# KiCad board Soldered Inkplate 6 FLICK.kicad_pcb (continued)
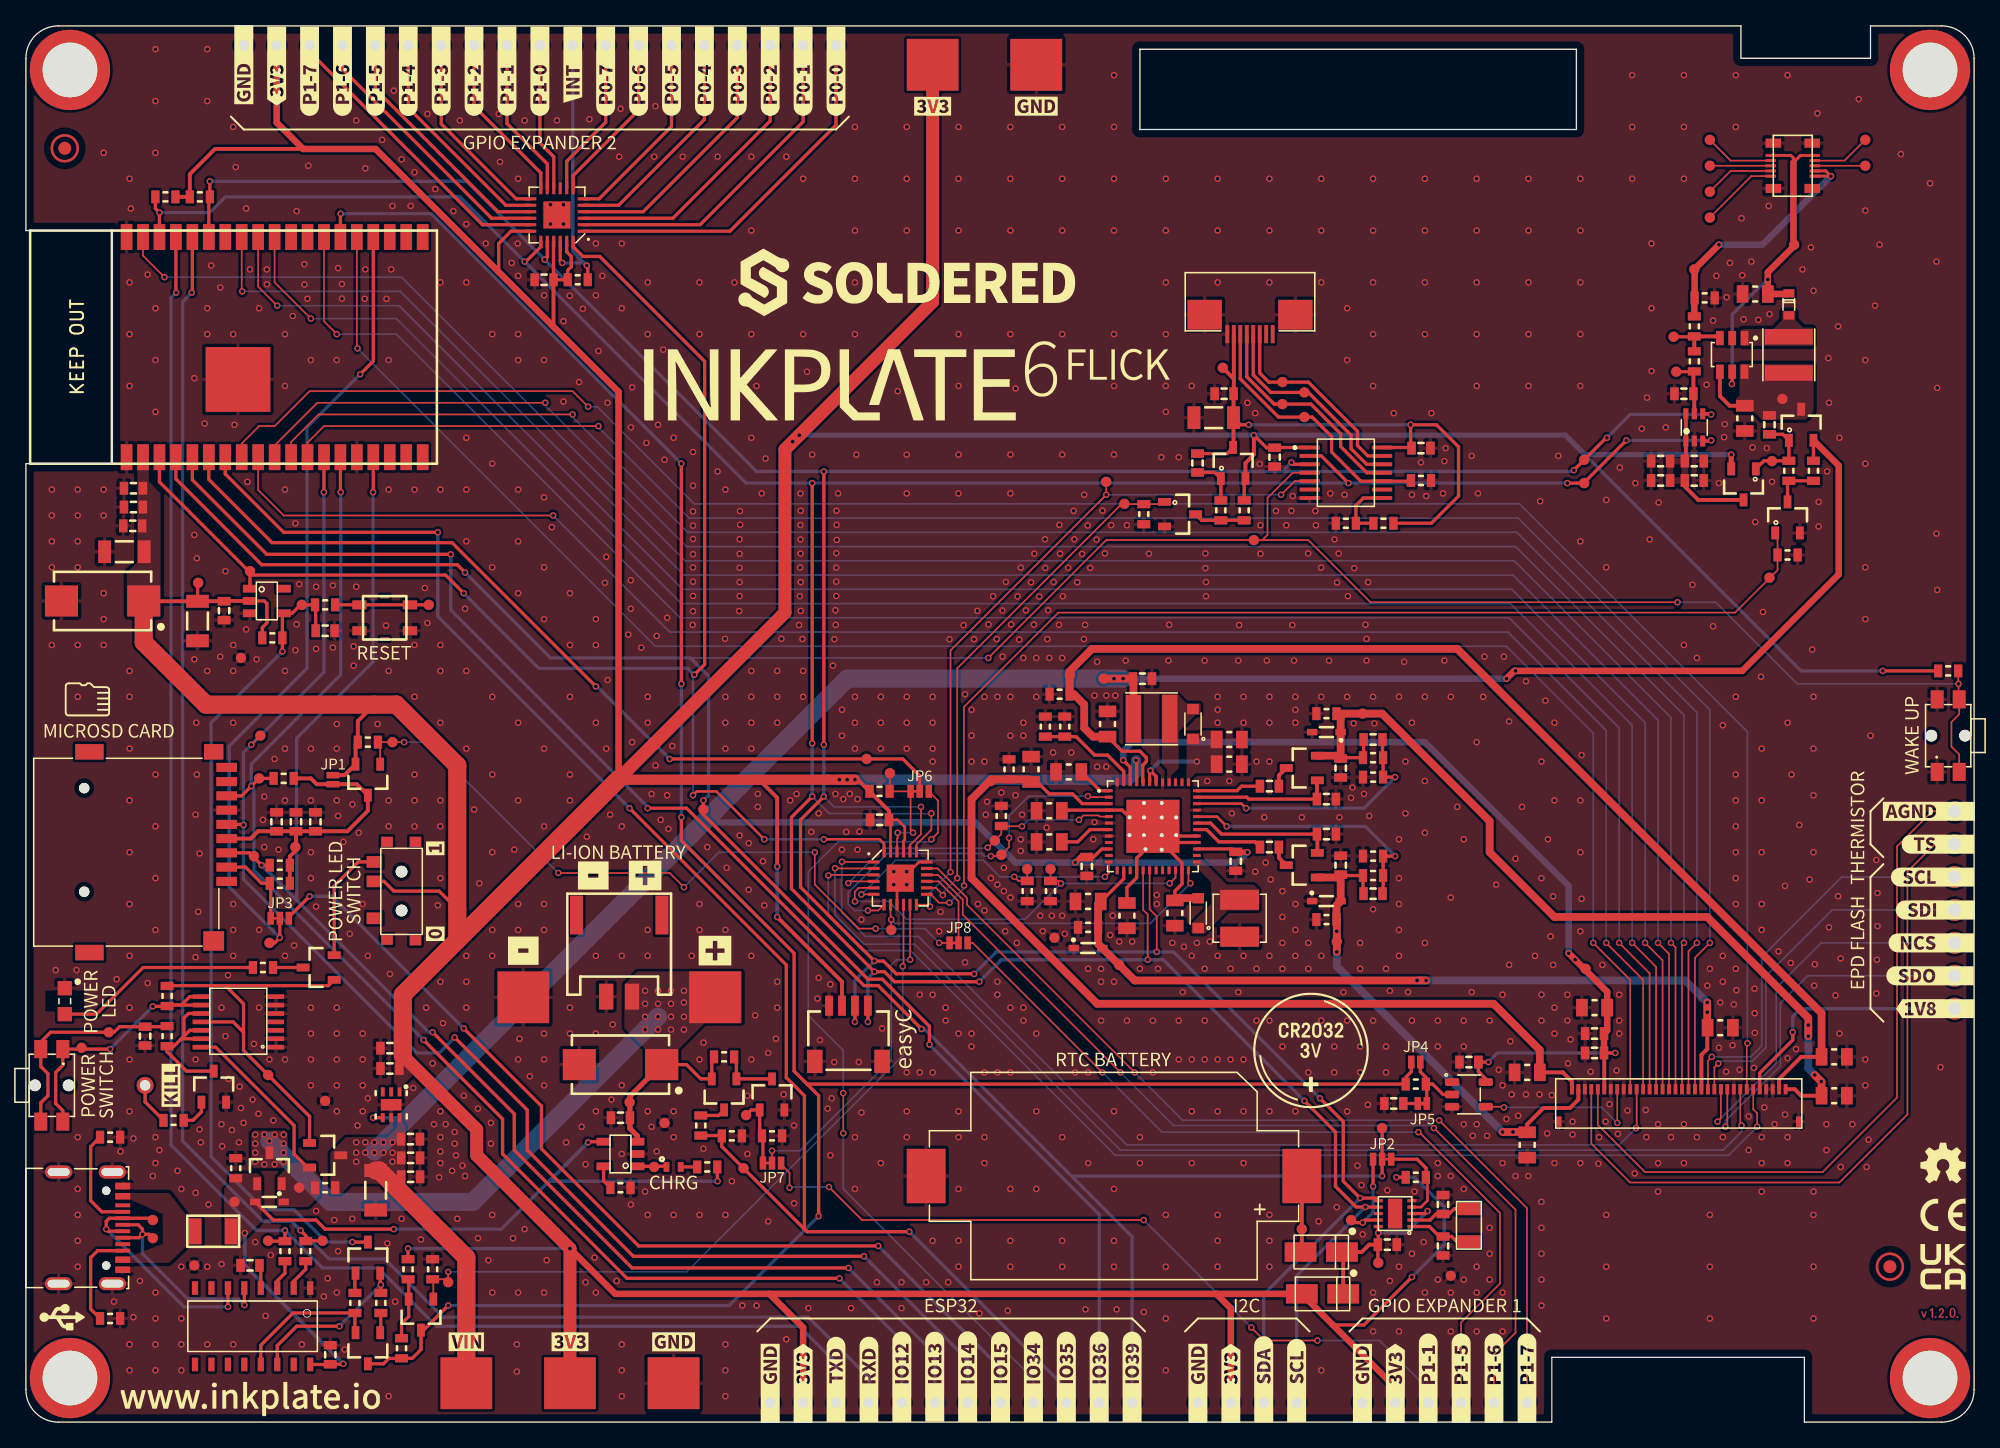
[diagram p0: board, top side]
## Routing (per net, layer and track width the routed paths; a pad name or vN(x,y) marks a point on that pad's centre or on a via; arc(x,y) is an arc through that point) (continued)
VBAT: length 51.2
  Top w0.254: R25.2 52.95,28.03 Q3.2 52.1,26.5 51,27.6 C32.1
  Top w0.4: C32.1 46.63,25.16 C33.2 46.63,22.67 47.2,22.1 U6.3
  Bottom w1.4: v1(48.8,31.3) 34.5,17 23.5,17 v1(18.8,21.7)
  vias: v1(17.7,22.2) v1(17.7,21.5) v1(17.7,20.8) v1(17.7,20.1) v1(18.4,22.2) v1(18.4,19.9) v1(19.2,22.2) v1(19.2,19.9) v1(19.9,22.2) v1(19.9,21.5) v1(19.9,20.8) v1(19.9,20.1) v1(47.8,33.3) v1(47.8,32.3) v1(47.8,31.3) v1(47.8,30.3) v1(48.8,33.3) v1(48.8,32.3) v1(48.8,30.3) v1(49.8,33.3) v1(49.8,32.3) v1(49.8,31.3) v1(49.8,30.3) v1(50.8,33.3) v1(50.8,32.4) v1(50.8,31.3) v1(50.8,30.3)
VDDH: length 67.2
  Top w0.254: C14.2 101.57,51.3 R13.2 103.27,51.34 C16.2
  Top w0.3: K15.34 136.55,25.7 137.05,25.2 C60.2
  Top w0.6: v1(138.1,26.8) 138.62,26.28 C60.2 ; D7.2 101.28,51.45 C14.2 D2.2 101.5,54.38 R10.2 104.7,54.7 113,46.4 113,44 118,39 129.8,39 137.6,31.2 v1(137.6,29.8)
  Bottom w0.6: v1(138.6,26.3) 137.6,27.3 v1(137.6,30.65)
VEE: length 40.9
  Top w0.254: C15.2 101.57,42.2 R15.2 103.22,40.84 C17.2
  Top w0.3: 115.88,22.4 C57.2 115.9,23 117.15,24.25 119.2,24.25 119.85,24.9 K15.2
  Top w0.6: D6.1 101.28,42.05 C15.2 D5.1 101.18,39.9 R12.2 101.2,38.78 v1(101.2,36.3) ; v1(114,22.4) 115.88,22.4
  Bottom w0.6: v1(114.8,22.4) v1(114,22.4) 101.2,35.2 v1(101.2,36.3) v1(101.2,37.9)
VIN: length 224.2
  Top w0.254: U5.4 26.81,23.5 v1(26.8,23.5) ; U1.10 83.05,44.25 82.43,43.63 C5.2 ; 93.3,44.03 93.08,44.25 U1.27 ; 138,74.22 Q15.2
  Top w0.4: v1(81,43.2) 81.43,43.63 C5.2 ; v1(94.3,44) 93.33,44 93.3,44.03
  Top w0.5: v1(114.3,57.4) 114.9,58 132.5,58 139.95,65.45 139.95,73.85 Q15.2
  Top w0.6: L2.1 85.5,57.37 C10.2 TP23.TP
  Top w1.4: PAD1.1 34,12.7 27.28,19.43 C27.2
  Bottom w0.254: 29.35,23.35 29.2,23.5 v1(26.8,23.5)
  Bottom w0.5: v1(94.3,44) 93.5,43.2 v1(81,43.2) 76.4,43.2 73.3,46.3 52.3,46.3 ; v1(84.7,57.4) v1(114.3,57.4) 114.9,58 v1(115,58)
  Bottom w1: 26.9,20.9 v1(26.9,20.8)
  Bottom w1.4: v1(84.7,57.4) 63.4,57.4 26.9,20.9
  vias: v1(25.5,21.6) v1(25.5,20.8) v1(25.5,20.1) v1(26.2,21.6) v1(26.2,20.8) v1(26.9,21.6) v1(27.6,21.6) v1(27.6,20.8) v1(28.3,21.6) v1(28.3,20.8) v1(28.3,20.1) v1(84,57.4)
VIN_BCK: length 4.1
  Top w0.3: C54.2 131.53,78.47 130.78,79.22 U10.4
/CTRL & COMS/CH_RXD: length 2.3
  Top w0.254: R22.1 20,11.5 19.41,10.91 U2.3
/CTRL & COMS/CH_TXD: length 2.5
  Top w0.254: R23.1 21.6,11.8 20.67,10.88 U2.2
/CTRL & COMS/DTR: length 11.3
  Top w0.254: Q5.2 25.4,6.95 R30.2 20.62,8.43 18.14,5.94 U2.13
/CTRL & COMS/RTS: length 12.9
  Top w0.254: v1(24.2,7.4) 20.9,7.4 19.41,5.91 U2.14 ; R31.2 v1(27.4,10.6) 27.35,10.65 Q4.2
  Bottom w0.254: v1(24.2,7.4) v1(27.4,10.6)
/MCU & GPIO Expanders/GPB_6: length 72.4
  Top w0.127: v1(84.5,27) 72.33,39.17 72.33,40.34 70.41,42.25 U13.16 ; v1(108.7,22.7) 115,16.4 115,6.9 113.34,5.24 K21.1
  Bottom w0.127: v1(84.5,27) 88.6,22.9 108.5,22.9 v1(108.7,22.7)
/MCU & GPIO Expanders/GPB_7: length 72.5
  Top w0.127: v1(109.1,23.3) 115.88,16.52 K22.1 ; U13.17 70.37,42.75 72.65,40.47 72.65,39.95 v1(85.6,27)
  Bottom w0.127: v1(85.6,27) 89.3,23.3 v1(109.1,23.3)
/POWER/INT_LDO: length 4
  Top w0.254: U1.7 82.15,45.75 81.2,44.8 C4.2
/POWER/TS: length 8
  Top w0.254: R1.2 R2.2 81.07,52.92 82.5,51.5 83.5,51.5 84.75,50.25 U1.47
/POWER/VB: length 5.9
  Top w0.254: U1.42 87.25,49.85 v1(86.8,50.3) 86.75,50.25 U1.43
  Bottom w0.3: v1(90.4,51) 87.5,51 v1(86.8,50.3)
/POWER/VN: length 21.8
  Top w0.254: C3.2 80.03,47.25 U1.4 84.63,47.25 U1.49 ; U1.28 88.25,44.75 U1.49 ; U1.49 88.22,44.2 89.25,43.17 U1.23 89.25,41.55 88.7,41 88.7,40.28 ; 85,40.08 85,41.28 85.75,42.03 U1.16 85.75,43.54 U1.49 ; U1.49 88.87,45.25 U1.29
  Top w0.6: D1.2 88.88,40.45 88.7,40.28
/POWER/VREF: length 2.7
  Top w0.254: C1.2 82.93,48.75 U1.1
/SD_RTC_GPIO/X1: length 4.9
  Top w0.254: X1.1 110.47,13.93 110.07,14.33 C36.2 109.12,14.33 108.35,15.1 U7.1
/SD_RTC_GPIO/X2: length 4.8
  Top w0.254: U7.2 108.4,15.6 108.87,16.07 C37.2 109.87,16.07 110.28,16.47 X1.2
BCK_ANODE: length 26.9
  Top w0.23: K11.9 137,97.8 136.45,97.25 136.45,97.6 136.25,97.8 K11.10
  Top w0.254: U10.5 131.72,80.17 v1(131.7,80.15)
  Top w0.4: 136.05,87.1 D13.2
  Top w0.5: 136.45,97.25 136.45,90.75 134.47,88.78 v1(134.47,88.22) C51.2 136.05,87.1
  Bottom w0.254: v1(134.47,88.22) 134.45,88.25 131.72,85.53 131.72,80.17 v1(131.7,80.15)
BCK_CATHODE: length 19.8
  Top w0.23: K11.1 v1(139.35,96.2) 138.95,96.6 K11.3
  Top w0.5: v1(130.7,90.9) 128.82,89.03 R54.2 ; R55.1 128.8,86.78
  Bottom w0.5: v1(139.35,96.2) 134.05,90.9 v1(130.7,90.9)
BCK_MOS: length 6.1
  Top w0.254: Q13.1 134.18,74.22 136.1,74.22 Q15.1 135.63,76.27 C52.1
CHRG-LED: length 2.3
  Top w0.254: D10.2 49.4,19.75 U6.1
CLKOUT_RTC: length 7.5
  Top w0.254: TP74.TP 102.5,15.4 v1(103.2,15.4) 103.4,15.6 U7.9 ; v1(104,18.2) JP3.3
  Bottom w0.254: v1(103.2,15.4) 104,16.2 v1(104,18.2)
D+: length 16.9
  Top w0.254: v1(9,14.5) 9,14.9 8.66,15.24 K1.A6 ; v1(9,14.5) 8.74,14.24 K1.B6 ; v1(9,14.5) 9.5,14.5 TP18.TP ; U2.5 v1(16.86,9.03)
  Bottom w0.254: v1(16.86,9.03) 16.4,9.5 12.5,9.5 9,13 v1(9,14.5)
D-: length 19
  Top w0.254: K1.A7 6.36,14.74 v1(6.2,14.9) 6.2,15.5 6.44,15.74 K1.B7 9.66,15.74 TP17.TP ; U2.6 15.59,8.91 v1(15.6,8.9)
  Bottom w0.254: v1(6.2,14.9) 12.2,8.9 v1(15.6,8.9)
DAC_OUT: length 4.5
  Top w0.127: 128.78,81.1 R56.2
  Top w0.254: TP42.TP 128.78,81.1
  Top w0.3: U9.5 128.8,79.33 ; C49.2 128.73,81.06
EPD_CKV: length 157.5
  Top w0.127: v1(132.9,29.25) 132.85,29.2 K15.28 ; U14.8 16.66,75.56 18,76.9 19.2,76.9 21.9,79.6 42.2,79.6 v1(43.4,78.4)
  Bottom w0.127: v1(43.4,78.4) 44.1,78.4 51.6,70.9 115.3,70.9 132.9,53.3 v1(132.9,29.25)
EPD_CL: length 13.3
  Top w0.127: v1(122.85,23.1) K15.8 ; v1(114.1,24.3) 114.05,24.35 U12.4
  Bottom w0.127: v1(114.1,24.3) 121.65,24.3 v1(122.85,23.1)
EPD_D0: length 148.4
  Top w0.127: U14.26 23.01,84.99 v1(24,84) ; v1(123,37) 125.35,34.65 K15.13
  Bottom w0.127: v1(123,37) 123,53.6 114.5,62.1 50.5,62.1 28.6,84 v1(24,84)
EPD_D1: length 151.3
  Top w0.127: v1(124,37) 125.85,35.15 K15.14 ; U14.29 19.2,88 v1(22,85.2)
  Bottom w0.127: v1(124,37) 124,53.8 114.6,63.2 50.6,63.2 28.6,85.2 v1(22,85.2)
EPD_D2: length 153.7
  Top w0.127: U14.30 17.93,87.67 v1(19.4,86.2) ; v1(125,37) 126.35,35.65 K15.15
  Bottom w0.127: v1(19.4,86.2) 28.8,86.2 50.7,64.3 114.7,64.3 125,54 v1(125,37)
EPD_D3: length 156.1
  Top w0.127: v1(126,37) 126.85,36.15 K15.16 ; v1(16.7,87.3) 16.66,87.34 U14.31
  Bottom w0.127: v1(126,37) 126,54.2 114.8,65.4 50.8,65.4 28.9,87.3 v1(16.7,87.3)
EPD_D4: length 163
  Top w0.127: v1(127,37) 127.35,36.65 K15.17 ; U14.37 9.04,90.06 v1(10.7,88.4)
  Bottom w0.127: v1(127,37) 127,54.4 114.9,66.5 50.9,66.5 29,88.4 v1(10.7,88.4)
EPD_D5: length 150.1
  Top w0.127: U14.10 19.2,75.4 22.5,78.7 v1(40.1,78.7) ; K15.18 127.85,36.85 v1(128,37)
  Bottom w0.127: v1(40.1,78.7) 40.1,78.5 51,67.6 115,67.6 128,54.6 v1(128,37)
EPD_D6: length 149.6
  Top w0.127: v1(42.2,77.8) 22.6,77.8 20.47,75.67 U14.11 ; v1(129,37) 128.35,36.35 K15.19
  Bottom w0.127: v1(42.2,77.8) 42.2,77.6 51.1,68.7 115.1,68.7 129,54.8 v1(129,37)
EPD_D7: length 148.8
  Top w0.127: K15.20 128.85,35.85 v1(130,37) ; v1(44.2,76.9) 23.01,76.9 21.74,75.63 U14.12
  Bottom w0.127: v1(44.2,76.9) 44.2,76.8 51.2,69.8 115.2,69.8 130,55 v1(130,37)
EPD_GMODE: length 88
  Top w0.127: v1(62.46,42.76) 62.47,42.75 U13.2 ; v1(132.45,22.9) 132.35,23 K15.27
  Bottom w0.127: v1(132.45,22.9) 132.45,22.43 131.03,21 84.5,21 68.6,36.9 64.7,36.9 62.46,39.14 v1(62.46,42.76)
EPD_LE: length 145
  Top w0.127: K15.10 123.85,34.15 v1(121,37) ; v1(25.6,82.9) 25.55,82.95 U14.24
  Bottom w0.127: v1(25.6,82.9) 48.6,59.9 114.3,59.9 121,53.2 v1(121,37)
EPD_OE: length 78.7
  Top w0.127: v1(63,43.26) 63.01,43.25 U13.1 ; v1(124.3,22.7) 124.35,22.75 K15.11
  Bottom w0.127: v1(124.3,22.7) 123,21.4 85,21.4 68.9,37.5 64.8,37.5 62.97,39.33 62.97,43.24 v1(63,43.26)
EPD_SPH: length 143.2
  Top w0.127: v1(122,37) 124.85,34.15 K15.12 ; U14.9 17.93,71.97 19.9,70 v1(40.7,70)
  Bottom w0.127: v1(122,37) 122,53.4 114.4,61 49.7,61 v1(40.7,70)
EPD_SPV: length 90
  Top w0.127: U13.3 62,42.25 v1(61.95,42.2) ; v1(133.65,22.8) 133.65,23.85 133.35,24.15 K15.29
  Bottom w0.127: v1(133.65,22.8) 131.45,20.6 84.1,20.6 68.3,36.4 64.6,36.4 61.95,39.05 v1(61.95,42.2)
EXP2_INT: length 22.3
  Top w0.254: v1(41.4,89.5) 41.25,89.65 U15.22 ; v1(43.3,89.3) 43.38,89.22 R60.2
  Bottom w0.254: v1(41.4,89.5) 43.1,89.5 v1(43.3,89.3) 42.22,90.38 K40.1
FRONTLIGHT_FB: length 4.6
  Top w0.127: 128.78,83.8 R55.2
  Top w0.254: TP48.TP 128.78,83.8
  Top w0.3: R56.1 R55.2 130.65,83.83
GPB3: length 87.7
  Top w0.127: Q14.1 135.22,68.47 R51.2 135.22,65.78 131.95,62.5 79.7,62.5 72.41,55.21 72.41,41.44 v1(72.42,41.42) ; v1(71.3,40.1) 70.5,40.1 69.85,40.75 U13.13
  Bottom w0.127: v1(72.42,41.42) 72.42,41.22 v1(71.3,40.1)
GPB4: length 40.8
  Top w0.127: v1(70.79,40.69) 70.79,40.71 70.25,41.25 U13.14 ; Q11.1 87.72,70.88 R46.2 84.57,70.88 71.9,58.2 v1(71.9,42)
  Bottom w0.127: v1(70.79,40.69) 70.79,40.89 v1(71.9,42)
GPIO15: length 75.4
  Top w0.254: v1(21.9,40.6) 20.3,39 JP2.3 ; v1(33.8,30.4) 39.8,24.4 39.8,21.1 47.3,13.6 v1(65.8,13.6)
  Bottom w0.254: v1(21.9,40.6) 23.6,40.6 v1(33.8,30.4) ; K39.1 75.24,4.16 v1(65.8,13.6)
GPIO_0: length 187.1
  Top w0.254: 60.3,26.1 R58.1 106.53,26.62 106.95,27.05 JP4.1 ; 60.3,26.1 59.3,27.1 59.3,36.2 50.6,44.9 v1(50.6,46.7) ; 60.3,26.1 61.2,25.2 v1(61.2,15.9) ; U14.25 24.28,93.28 v1(24.3,93.3) ; v1(50.6,74) v1(50.6,57) ; Q5.3 27.6,4.5 28.03,4.93 R21.1 29.83,4.93 30.5,5.6 Q1.3 30.7,7.1 v1(32.6,9)
  Bottom w0.254: v1(50.6,57) v1(50.6,46.7) ; v1(24.3,93.3) 31.3,93.3 v1(50.6,74) ; v1(61.2,15.9) 54.3,9 v1(32.6,9)
GPIO_0_MOSFET: length 57.1
  Top w0.127: v1(67.69,35.19) 67.75,35.24 U13.10 ; Q1.1 31.45,10.97 R19.2 32.38,11.03 TP14.TP ; 32.6,11.03 v1(32.6,11.6)
  Bottom w0.127: v1(32.6,11.6) 51,11.6 67.7,28.3 67.7,35.18 v1(67.69,35.19)
GPIO_36: length 241
  Top w0.127: v1(127.5,63.3) 103.8,63.3 99,68.1 95.45,68.1 ; 95.45,68.1 83.4,68.1 v1(74.3,59) ; 95.45,68.1 95.85,68.5 95.85,71.35 97.8,73.3 U8.4 ; R41.1 149.18,57.03 v1(149.2,57) 149.2,55.85 SW3.2 149.25,54.65 148.65,54.05 148.65,52.15 149.25,51.55 SW3.2
  Top w0.254: v1(52.3,48) 52.3,46.9 65,34.2 66.12,34.2 69.75,30.57 v1(69.75,29.15) ; U14.4 11.58,72.82 18.2,66.2 33.3,66.2 v1(33.9,65.6)
  Bottom w0.127: v1(149.2,57) 136.75,57 130.45,63.3 v1(127.5,63.3) ; 51.39,58.89 51.39,58.91 ; v1(74.3,59) 51.1,59
  Bottom w0.254: v1(52.3,48) 52.7,48.4 52.7,57.6 52.18,58.12 52.16,58.12 51.28,59 40.5,59 v1(33.9,65.6) ; K38.1 82.86,16.04 v1(69.75,29.15)
GPIO_39: length 141.4
  Top w0.254: v1(48,47.4) 51,47.4 64.7,33.7 65.8,33.7 v1(69.15,30.35) ; U14.5 12.85,72.75 18.6,67 v1(32.8,67) ; v1(104.7,19) JP3.2 TP73.TP
  Bottom w0.254: v1(32.8,67) 32.8,62.7 48,47.5 v1(48,47.4) ; K37.1 85.4,14.32 69.37,30.35 v1(69.15,30.35) ; v1(104.7,19) 80.9,19
I2C_SCL: length 274.8
  Top w0.127: v1(86.6,35.7) 86.6,39.2 86.25,39.55 U1.17 ; U13.19 68.75,44.59 69.9,45.74 v1(69.9,47)
  Top w0.254: v1(73.6,34) 67.05,34 66.27,34.78 v1(65.5,34.78) 59.1,41.18 59.1,46.7 v1(60.7,48.3) ; v1(38.5,89.6) 38.6,89.6 39.75,90.75 U15.19 ; 130.05,75.75 U9.3 ; U14.36 v1(10.31,93.39) 9.99,93.7 R3.1 ; v1(119,72.5) 120.25,72.5 v1(123.55,75.8) ; v1(65,30.9) K2.1 ; v1(60.7,52.4) v1(60.7,72.5) ; v1(102.1,72.5) 100,74.6 U8.2 ; U7.7 103.42,16.6 v1(103.41,16.61) 102.69,16.61 101.1,18.2 101.1,22.4 v1(98.7,24.8)
  Bottom w0.127: v1(69.9,47) 69.89,46.99 62.01,46.99 v1(60.7,48.3)
  Bottom w0.254: K4.1 98.1,11.3 v1(103.41,16.61) ; v1(10.31,93.39) 14.19,93.39 15.4,94.6 33.5,94.6 55.6,72.5 v1(60.7,72.5) v1(119,72.5) ; v1(65.5,34.78) 65,34.28 v1(65,30.9) ; v1(130.1,75.8) v1(123.55,75.8) ; v1(98.7,24.8) 87.8,35.7 v1(86.6,35.7) 75.3,35.7 v1(73.6,34) ; v1(60.7,48.3) v1(60.7,52.4)
I2C_SCL_B: length 15.7
  Top w0.254: U8.13 103.6,74.6 102.8,75.4 102.8,76.5 99,80.3 95.95,80.3 95.25,81 K12.3
I2C_SDA: length 271.1
  Top w0.127: v1(87.3,36.3) 87.3,39.05 86.75,39.6 U1.18 ; U13.20 68.25,44.55 69.1,45.4 v1(69.1,47.5)
  Top w0.254: v1(61.6,52.3) v1(61.6,73.4) ; v1(61.6,48.3) 59.8,46.5 59.8,41.3 v1(65.5,35.6) 66.2,35.6 67.19,34.61 73.19,34.61 v1(73.2,34.6) ; v1(40.05,89.75) 40.25,89.95 U15.20 ; v1(119.5,73.5) 122,76 v1(122.05,76) ; v1(64,30.9) K2.2 ; U14.33 14.12,94.52 14.2,94.6 14.2,95.8 v1(14.2,95.8) ; U7.6 104.2,17.3 v1(103,17.3) 101.7,18.6 101.7,23.2 v1(99.9,25) ; v1(130.1,77.8) 130.05,77.85 U9.4 ; U8.3 97.85,73.95 v1(97.7,74.1)
  Bottom w0.127: v1(61.6,48.3) 62.4,47.5 v1(69.1,47.5)
  Bottom w0.254: 97,73.4 119.4,73.4 v1(119.5,73.5) ; 97,73.4 56.4,73.4 v1(40.05,89.75) 34,95.8 v1(14.2,95.8) ; 97,73.4 v1(97.7,74.1) ; v1(99.9,25) 99.89,25 88.59,36.3 v1(87.3,36.3) 74.9,36.3 v1(73.2,34.6) ; v1(65.5,35.6) 64,34.1 v1(64,30.9) ; v1(130.1,77.8) 123.85,77.8 v1(122.05,76) ; v1(103,17.3) 95.56,9.86 K5.1 ; v1(61.6,48.3) v1(61.6,52.3)
I2C_SDA_B: length 16.6
  Top w0.254: K12.4 94.75,80.86 96.11,79.5 99,79.5 102.3,76.2 102.3,75.16 103.51,73.95 U8.12
INT: length 28.8
  Top w0.127: v1(75.9,45.1) 75.9,44.4 75.2,43.7 v1(74.5,43.7) ; v1(81.99,48.33) 82.06,48.25 U1.2 ; U13.7 65.8,39.5 v1(65,39.5)
  Bottom w0.127: v1(65,39.5) 63.97,39.5 63.49,39.99 63.49,40.89 66.5,43.9 73.77,43.9 73.97,43.7 v1(74.5,43.7) ; v1(75.9,45.1) 75.9,46.8 77.43,48.33 v1(81.99,48.33)
INTB: length 9
  Top w0.127: v1(68.49,45.51) 68.3,45.7 JP6.1 R59.2 66.7,48.72 TP59.TP ; U13.22 67.25,45.05 67.3,45.1 v1(67.3,45.5)
  Bottom w0.127: v1(68.49,45.51) 67.31,45.51 v1(67.3,45.5)
IO34: length 67.3
  Top w0.254: v1(49.7,51.2) 67.7,51.2 69,49.9 JP6.2 ; U14.6 14.12,72.78 19,67.9 32.9,67.9 v1(44,56.8)
  Bottom w0.254: v1(49.7,51.2) 44.1,56.8 v1(44,56.8)
MANUAL_RST: length 63.8
  Top w0.254: C26.2 22.37,63.06 R26.2 21.2,63.1 20.55,62.45 U3.4 19.8,62.35 R29.1 v1(19.8,59.5) ; Q4.3 v1(25.2,13.9)
  Bottom w0.254: v1(25.2,13.9) 23.2,13.9 20.7,16.4 18.4,16.4 14.3,20.5 14.3,54 v1(19.8,59.5)
PWR-SW-A: length 20.5
  Top w0.254: SW2.1 2.85,24.05 2.3,24.6 2.3,27 2.85,27.55 SW2.1 v1(6.5,28.8) ; v1(9.8,32.1) 10.88,32.1 R35.1 10.98,32.2 U4.9 ; 11.4,32.2 12,32.2 12.65,32.85 U4.8
  Bottom w0.254: v1(6.5,28.8) v1(9.8,32.1)
PWR-SW-B: length 16.9
  Top w0.254: 10.9,30.57 10.85,30.53 C31.2 7.23,30.53 6.8,30.1 1.9,30.1 1.15,29.35 SW2.2 1.15,27.45 1.7,26.9 1.7,25.2 1.15,24.65 SW2.2
PWR_GOOD: length 27.5
  Top w0.127: U13.8 66.75,38.85 v1(66.8,38.8) TP40.TP ; v1(89.9,41.6) 89.75,41.75 U1.24
  Bottom w0.127: v1(89.9,41.6) 86.8,38.5 67.1,38.5 v1(66.8,38.8)
PWRUP: length 31.3
  Top w0.127: TP36.TP R7.1 79.71,41.78 v1(79.9,41.59) ; v1(88.3,41.6) 88.75,42.05 U1.22 ; v1(64,40.2) 63.99,40.21 63.99,40.95 64.29,41.25 U13.5
  Bottom w0.127: v1(88.3,41.6) 88.29,41.59 v1(79.9,41.59) 77.14,38.83 67.97,38.83 66.6,40.2 v1(64,40.2)
RST: length 116.1
  Top w0.2: U13.24 66.25,44.65 65.9,45 v1(61.6,45) ; v1(51.5,48.4) 51.8,48.7 53.3,48.7 v1(57,45)
  Top w0.254: U14.3 10.31,72.59 17.15,65.75 ; 17.15,65.75 17.5,65.4 32.4,65.4 v1(33.8,64) ; 17.15,65.75 17.3,65.6 U3.1 ; v1(51.6,57.7) 52.4,58.5 52.4,81.9 44.3,90 43,90 42.25,90.75 U15.24
  Bottom w0.2: 51.5,57.6 v1(51.5,48.4) ; v1(57,45) v1(61.6,45)
  Bottom w0.254: v1(33.8,64) 39.6,58.2 51.1,58.2 v1(51.6,57.7) 51.5,57.6
RST-SW: length 7.2
  Top w0.254: R26.1 SW1.2 SW1.2 TP68.TP
RTC-BATT: length 5.9
  Top w0.3: K10.+ 98.5,13.23 D12.1
RXD: length 134.8
  Top w0.254: U14.34 12.85,87.25 v1(12.8,87.2) ; 22.8,14 21.62,14 R23.2 21.6,14.4 v1(21.2,14.8)
  Bottom w0.254: K23.1 65.08,3.42 60.4,8.1 32.2,8.1 27.7,12.6 23.4,12.6 v1(21.2,14.8) 20.5,15.5 18.3,15.5 12.1,21.7 12.1,86.5 v1(12.8,87.2)
SD_ENABLE: length 56
  Top w0.127: v1(41.1,42.4) 49.7,42.4 v1(50.8,41.3) ; Q10.1 27.35,52.33 R40.2 v1(29.2,52.5) ; v1(70.5,37) JP7.1 ; v1(65.6,38.1) 64.3,38.1 60.9,41.5 v1(60.9,44)
  Bottom w0.127: v1(70.5,37) 69.4,38.1 v1(65.6,38.1) ; v1(41.1,42.4) 31,52.5 v1(29.2,52.5) ; v1(60.9,44) 53.5,44 v1(50.8,41.3)
SPI_CS: length 62.8
  Top w0.254: v1(25.8,80.9) 26.82,81.92 U14.23 ; JP2.2 v1(19.6,37.4) 19.2,37 TP54.TP
  Bottom w0.254: v1(19.6,37.4) 15.7,41.3 15.7,52.2 21.7,58.2 21.7,76.8 v1(25.8,80.9)
SPI_MISO: length 110.5
  Top w0.254: U14.14 24.28,71.82 v1(24.3,71.8) ; R45.1 TP57.TP 16.65,48.35 K9.7 ; v1(30.7,29.5) 36.8,23.4 36.8,20.7 46.4,11.1 v1(62.8,11.1)
  Bottom w0.254: K25.1 67.62,6.28 v1(62.8,11.1) ; v1(30.7,29.5) 17.6,42.6 17.6,48.9 v1(17.4,49.1) 17.4,50.8 24.3,57.7 v1(24.3,71.8)
SPI_MOSI: length 113.4
  Top w0.254: v1(26.8,71.8) 26.82,71.82 U14.16 ; R43.1 v1(18.2,43) 17.25,43.95 K9.3 ; v1(31.4,30.1) 37.7,23.8 37.7,21 46.8,11.9 v1(63.5,11.9)
  Bottom w0.254: v1(31.4,30.1) 31.1,30.1 v1(18.2,43) ; 20.9,40.3 20.9,52.8 26.8,58.7 v1(26.8,71.8) ; K26.1 70.16,5.24 v1(63.5,11.9)
SPI_SCK: length 114.9
  Top w0.127: TP56.TP v1(17.4,52.3)
  Top w0.254: U14.13 23.01,71.81 v1(23,71.8) ; v1(16.8,46.1) 16.75,46.15 K9.5 ; v1(33.1,29.7) 38.7,24.1 38.7,21 46.9,12.8 v1(64.7,12.8)
  Bottom w0.254: v1(64.7,12.8) 72.7,4.8 K24.1 ; v1(23,71.8) 23,57.9 v1(17.4,52.3) 16.8,51.7 v1(16.8,46.1) 16.8,41.9 30.2,28.5 31.9,28.5 v1(33.1,29.7)
SW_IN: length 13.5
  Top w0.254: U4.14 14.65,28.95 20.7,22.9 20.7,20.7 21.75,19.65 Q9.2
SW_OUT_D: length 31.6
  Top w0.254: 16.8,30.1 16,30.9 U4.11 ; 16.8,30.1 16.8,28.7 21.9,23.6 Q9.1 ; 16.8,30.1 16.8,32.3 15.4,33.7 ; 15.4,33.7 23.35,33.7 Q6.1 ; 15.4,33.7 10.92,33.7 R35.2
TOUCH_INT_B: length 17.4
  Top w0.254: K12.5 94.25,80.71 96.36,78.6 99.2,78.6 101.5,76.3 101.5,75.32 103.52,73.3 U8.11
TOUCH_RESET: length 55.7
  Top w0.127: v1(96.9,71.6) 97.95,72.65 U8.5 ; TP21.TP v1(83.4,71.6) 71.38,59.58 v1(71.38,42.47) ; v1(69.8,39.8) 69.65,39.95 U13.12
  Bottom w0.127: v1(71.38,42.47) 69.8,40.89 v1(69.8,39.8) ; v1(83.4,71.6) v1(96.9,71.6)
TOUCH_RESET_B: length 20.6
  Top w0.254: R57.1 106.88,72.65 U8.10 103.05,72.65 100.8,74.9 100.8,76.1 99.3,77.6 96.7,77.6 93.75,80.55 K12.6
TS: length 55.3
  Top w0.127: K13.2 147.37,44.62 145.25,42.5 145.25,23.75 140,18.5 123.85,18.5 120.85,21.5 K15.4
TXD: length 133.8
  Top w0.254: TP16.TP 18.72,13.97 R22.2 v1(20,14.8) ; v1(11.6,87.2) 11.58,87.22 U14.35
  Bottom w0.254: K20.1 62.54,4.56 59.7,7.4 31.7,7.4 27.2,11.9 22.9,11.9 v1(20,14.8) 17.8,14.8 11.2,21.4 11.2,86.8 v1(11.6,87.2)
V_BAT: length 123
  Top w0.254: v1(31.8,68.7) 19.9,68.7 15.39,73.21 U14.7 ; 60.15,14.85 53.72,21.28 R28.2 53.7,22.12 R27.1 ; 60.15,14.85 60.3,14.7 v1(68.2,14.7) ; 60.15,14.85 60.1,14.9 60.1,25.2 58.7,26.6 58.7,35.3 v1(46.6,47.4)
  Bottom w0.254: v1(31.8,68.7) 31.8,62.2 v1(46.6,47.4) ; v1(68.2,14.7) 80.32,2.58 K19.1
V_BAT_MOS: length 5.5
  Top w0.254: 56.9,19.9 56.9,22.03 R24.2 56.65,22.28 Q2.1 56,24.1 TP60.TP
VCOM: length 63.7
  Top w0.254: U1.14 84.75,41.95 83,40.2 C6.2
  Top w0.3: 129.8,30.45 129.8,28.8 129.35,28.35 K15.21
  Top w0.6: 129.8,30.45 v1(129.8,32.4) ; C6.2 82.78,40 R11.2 82.78,36.92 D3.1 85.6,34.1 v1(108.1,34.1)
  Bottom w0.6: v1(107.4,34.1) 128.1,34.1 v1(129.8,32.4) v1(129.8,31.65)
VCOM_CTRL: length 24.7
  Top w0.127: v1(83.3,42.1) 83.6,42.4 U1.12 ; v1(64.5,40.74) 64.51,40.75 U13.6 ; TP38.TP R6.1 76.62,41.78 v1(76.3,42.1)
  Bottom w0.127: v1(83.3,42.1) v1(76.3,42.1) 75.2,42.1 73.93,43.37 67.14,43.37 v1(64.5,40.74)
VNEG: length 72.6
  Top w0.254: 77.6,49.42 78.07,49.42 79,48.5 80.8,48.5 81.55,47.75 U1.3
  Top w0.3: K15.1 119.35,26.3 118.65,27 C56.2
  Top w0.6: 77.6,49.42 77.4,49.62 R8.1 74.53,49.62 73,48.1 73,42 82.7,32.3 113.3,32.3 116.88,28.72 C56.2
VPOS: length 91.4
  Top w0.254: 83.5,52.92 84.62,51.8 86,51.8 86.5,51.3 86.5,51 86.22,50.72 86.22,49.43 U1.44
  Top w0.3: K15.33 135.35,26.5 137.05,28.2 C59.2
  Top w0.6: C59.2 138.62,31.57 110.5,59.7 82.3,59.7 80.57,57.97 R9.1 80.9,56.2 81.7,55.4 81.7,53.6 82.38,52.92 83.5,52.92
VUSB: length 60.5
  Top w0.254: v1(28.4,14.9) 23.1,14.9 22.4,15.6 19.1,15.6 D9.1 ; U2.16 23.48,4.45 C22.2 24.47,4.47 v1(24.5,4.5) ; v1(53.4,18.6) 53.38,18.62 R38.1 ; v1(43.4,21.6) 43.45,21.65 U6.4
  Bottom w0.254: v1(53.4,18.6) 40.5,18.6 40.45,18.65 36.7,14.9 v1(28.4,14.9)
  Bottom w0.3: v1(16.9,14.6) 16.9,12.1 v1(24.5,4.5) ; 40.45,18.65 v1(43.4,21.6)
WAKEUP: length 24.7
  Top w0.127: v1(63.49,41.61) 63.62,41.75 U13.4 ; v1(74.26,44.36) 75.3,45.4 R5.1 75.33,46 v1(76.9,46) ; U1.5 82.9,46.75 82.81,46.84 81.64,46.84 v1(81.3,46.5)
  Bottom w0.127: v1(74.26,44.36) 74.2,44.3 66.17,44.3 v1(63.49,41.61) ; v1(81.3,46.5) 77.4,46.5 v1(76.9,46)
Net-(C18-Pad1): length 1.6
  Top w0.3: D6.3 96.73,43.57 C18.1
Net-(C19-Pad2): length 1.6
  Top w0.3: D7.3 96.73,49.93 C19.2
Net-(C23-Pad2): length 1.8
  Top w0.254: C23.2 18.14,12 U2.4
Net-(C43-Pad1): length 3.7
  Top w0.254: R48.1 Q12.1 91.78,73.32 C43.1
Net-(C46-Pad1): length 8.5
  Top w0.3: Q13.3 129.1,71.2 128.07,72.23 ; U9.6 U9.1 128.15,74.28
Net-(C61-Pad2): length 1.1
  Top w0.254: JP5.1 C61.2
Net-(D8-Pad1): length 16
  Top w0.254: D8.1 5.45,31.5 9.05,35.1 R32.2
Net-(D10-Pad1): length 1.3
  Top w0.254: D10.1 R38.2
Net-(JP2-Pad1): length 6.6
  Top w0.254: JP2.1 18.9,41.53 R42.1 18.2,41.6 16.95,42.85 K9.2
Net-(JP3-Pad1): length 6.9
  Top w0.2: 108.1,19 108.2,18.9 108.2,17.1 107.7,16.6 U7.4
  Top w0.254: JP3.1 107.4,20.3 108.1,19.6 108.1,19
Net-(JP4-Pad2): length 5.8
  Top w0.254: U12.2 109.4,25.3 108.6,26.1 R58.2 ; R58.2 108.15,26.03 JP5.2 ; R58.2 108.07,26.62 107.65,27.05 JP4.2
Net-(JP6-Pad3): length 62.9
  Top w0.127: v1(69.9,45) 70.41,45.51 70.41,47.99 JP6.3 ; v1(63.1,22.3) v1(63.1,25.4)
  Bottom w0.127: v1(63.1,22.3) 63.1,18 77.78,3.32 K16.1 ; v1(69.9,45) 69.7,44.8 62.7,44.8 60.4,42.5 60.4,31.4 63.1,28.7 v1(63.1,25.4)
Net-(JP7-Pad2): length 6.3
  Top w0.127: U13.15 70.45,41.75 72,40.2 JP7.2
Net-(JP7-Pad3): length 65.6
  Top w0.127: v1(83.1,27) 73.1,37 JP7.3 ; v1(107.5,22.39) 107.56,22.39 113.8,16.14 113.8,10.7 110.8,7.7 K27.1
  Bottom w0.127: v1(83.1,27) 87.71,22.39 v1(107.5,22.39)
Net-(JP8-Pad2): length 26.3
  Top w0.127: U13.11 68.25,35.71 v1(68.26,35.7) ; v1(57.6,20.95) JP8.2
  Bottom w0.127: v1(57.6,20.95) 59.75,20.95 66.8,28 66.8,35.3 67.2,35.7 v1(68.26,35.7)
Net-(JP8-Pad3): length 58.9
  Top w0.127: v1(94.6,7.3) 95.6,6.3 v1(99.7,6.3) ; v1(62,18.15) 64.55,15.6 v1(86.3,15.6) ; 58.3,19.9 58.95,19.25 v1(58.95,18.1)
  Bottom w0.127: K28.1 108.26,2.54 104.5,6.3 v1(99.7,6.3) ; v1(58.95,18.1) 59,18.15 v1(62,18.15) ; v1(94.6,7.3) v1(86.3,15.6)
Net-(K1-PadA5): length 8
  Top w0.254: R18.1 5,21.28 5,17.1 5.86,16.24 K1.A5
Net-(K1-PadB5): length 7.7
  Top w0.254: K1.B5 5.54,13.24 5,12.7 5,8.72 R17.1
Net-(K7-Pad1): length 3.3
  Top w0.254: K7.1 9.2,24.72 R34.2
Net-(K11-Pad2): length 6
  Top w0.127: K11.2 133.2,96.2 TP1.TP
Net-(K11-Pad4): length 5.4
  Top w0.127: TP2.TP 131.6,96.6 K11.4
Net-(K11-Pad5): length 3.9
  Top w0.127: K11.5 TP3.TP
Net-(K11-Pad6): length 4.7
  Top w0.127: K11.6 TP4.TP
Net-(K11-Pad7): length 4.6
  Top w0.127: K11.7 140.4,97.4 TP5.TP
Net-(K11-Pad8): length 5.4
  Top w0.127: K11.8 131.6,97.4 TP6.TP
Net-(K14-Pad1): length 19.4
  Top w0.254: v1(136.4,30.1) 136.4,29.5 133.85,26.95 K15.30
  Bottom w0.254: v1(136.4,30.1) 136.4,31.3 137.02,31.92 K14.1
Net-(K14-Pad2): length 28.6
  Top w0.127: K15.25 131.35,22.95 v1(131.2,22.8)
  Bottom w0.127: K14.2 137.56,34.46 135.45,32.35 135.45,27.5 131.2,23.25 v1(131.2,22.8)
Net-(K14-Pad3): length 30
  Top w0.127: K15.24 130.85,23.45 v1(130.6,23.2)
  Bottom w0.127: v1(130.6,23.2) 135.12,27.72 135.12,33.52 138.6,37 K14.3
Net-(K14-Pad4): length 28.5
  Top w0.127: K15.23 130.35,27.39 v1(130.65,27.69)
  Bottom w0.127: v1(130.65,27.69) 130.84,27.87 133.29,27.87 134.33,28.91 134.33,34.43 139.44,39.54 K14.4
Net-(K14-Pad5): length 31.1
  Top w0.127: K15.22 129.85,27.9 v1(130.15,28.2)
  Bottom w0.127: v1(130.15,28.2) 133.15,28.2 134,29.05 134,35.9 140.18,42.08 K14.5
Net-(K29-Pad1): length 29
  Top w0.254: K29.1 62.54,100.14 54.35,91.95 U15.1
Net-(K30-Pad1): length 26.1
  Top w0.254: U15.2 52.05,92.45 60,100.4 K30.1
Net-(K31-Pad1): length 23.4
  Top w0.254: U15.3 49.95,92.95 57.46,100.46 K31.1
Net-(K32-Pad1): length 20.5
  Top w0.254: U15.4 47.65,93.45 54.92,100.72 K32.1
Net-(K33-Pad1): length 17.8
  Top w0.254: U15.5 45.75,93.95 52.38,100.58 K33.1
Net-(K34-Pad1): length 15.4
  Top w0.254: U15.6 44.25,94.45 49.84,100.04 K34.1
Net-(K35-Pad1): length 13.1
  Top w0.254: K35.1 47.3,101.3 42.25,96.25 U15.7
Net-(K36-Pad1): length 12.3
  Top w0.254: K36.1 44.76,100.36 41.75,97.35 U15.8
Net-(K43-Pad1): length 11.5
  Top w0.254: K43.1 39.68,98.77 40.75,97.7 U15.10
Net-(K44-Pad1): length 12.3
  Top w0.254: U15.11 40.25,97.15 37.14,100.26 K44.1
Net-(K45-Pad1): length 13.2
  Top w0.254: K45.1 34.6,101.6 39.75,96.45 U15.12
Net-(K46-Pad1): length 15.3
  Top w0.254: K46.1 32.06,100.24 37.85,94.45 U15.13
Net-(K47-Pad1): length 17.4
  Top w0.254: U15.14 37.05,93.95 29.52,101.48 K47.1
Net-(K48-Pad1): length 19.3
  Top w0.254: K48.1 26.98,102.92 36.45,93.45 U15.15
Net-(K49-Pad1): length 21.1
  Top w0.254: U15.16 35.95,92.95 24.44,104.46 K49.1
Net-(K50-Pad1): length 23.1
  Top w0.254: K50.1 21.9,105.8 35.25,92.45 U15.17
Net-(Q1-Pad2): length 4.8
  Top w0.254: R21.2 29,7.6 29.55,8.15 Q1.2 29.55,10.97 R20.1
Net-(Q2-Pad3): length 4.5
  Top w0.254: R25.1 54.85,28.03 Q3.1 Q2.3
Net-(Q3-Pad3): length 2
  Top w0.254: Q3.3 53.47,23.68 R27.2
Net-(Q4-Pad1): length 1.5
  Top w0.254: R30.1 25.4,11.45 Q4.1
Net-(Q5-Pad1): length 1.5
  Top w0.254: R31.1 27.4,6.95 Q5.1
Net-(Q6-Pad2): length 9.2
  Top w0.254: Q6.2 23.8,41.4 25.65,43.25 S1.3
Net-(Q6-Pad3): length 2.3
  Top w0.254: R32.1 Q6.3
Net-(Q8-Pad1): length 2.4
  Top w0.254: Q8.1 13.55,23.95 12.9,23.3 R34.1
Net-(Q8-Pad3): length 12.2
  Top w0.254: 12,29.6 11.42,29.03 R37.2 10.9,28.6 12.4,27.1 Q8.3 ; 12,29.6 12.15,29.75 ; 12,29.6 U4.13 ; 12.15,29.75 12.2,29.8 12.2,31.2 12.55,31.55 U4.10 ; 12.15,29.75 12.65,30.25 U4.12
Net-(Q11-Pad3): length 3.9
  Top w0.254: R47.1 R48.2 90.78,69.62 Q11.3
Net-(Q14-Pad3): length 3.4
  Top w0.254: Q14.3 136,72.58 ; R53.1 R52.1
Net-(R39-Pad1): length 1.9
  Top w0.254: R39.1 44.6,18.62 U6.5
Net-(R49-Pad1): length 5
  Top w0.254: R49.1 R50.1 102.68,70.78 103.25,71.35 U8.8

## Copper pours and planes (outline as drawn; the poured copper is in the pictures)
3V3 on Top: 9.5,72.6 10.4,71.7 10.4,62.2 7.8,62.2 7.8,65.6 8.6,66.4 8.6,75.5 9.5,75.5
3V3 on Top: 29.8,29.9 29.8,26.7 29,25.9 29,25.2 28.7,25.2 28.7,25.9 28.4,26.2 28.4,29.9 28.7,30.2 29.5,30.2
GND on Top, Bottom: 150.4,0 0,0 0,107.8 150.4,107.8
VBAT on Top: 55.3,30.8 52.4,30.8 50.4,28.8 50.4,26.4 47.8,26.4 47.8,28.8 46.2,30.4 46.2,33.8 47.2,34.8 55.3,34.8
VBAT on Top, Bottom: 20.2,22.3 20.2,19.8 20,19.6 17.6,19.6 17.4,19.8 17.4,22.3 17.6,22.5 20,22.5
VBAT on Bottom: 51.2,33.4 51.2,30.2 50.7,29.7 47.8,29.7 47.3,30.2 47.3,33.4 47.8,33.9 50.7,33.9
VIN on Top: 29,23.2 29.3,22.9 29.3,18.4 25.1,18.4 24.3,17.6 23.5,17.6 23.5,20.8 24.7,22 27.9,22 28.7,22.8 28.7,23.8 29,23.8
VIN on Bottom: 29.2,21.7 29.2,20 29,19.8 25.1,19.8 24.9,20 24.9,21.7 25.1,21.9 29,21.9
VIN_BCK on Top: 138,81.7 138,78 137.4,77.4 134,77.4 133.4,78 132,78 132,79 132.3,79.3 132.3,81.7
/POWER/VB on Top: 92.4,50.1 90.3,50.1 89.9,49.7 89.9,49.1 89.6,49.1 89.6,53.2 90.6,53.2 90.8,53.4 92.4,53.4
/POWER/VB_SW on Top: 89.6,55.5 90.7,55.5 90.7,54.6 90.3,54.6 89,53.3 89,50.5 88.4,49.9 88.4,49.1 88.1,49.1 88.1,50.4 87.7,50.8 87.7,56.2 88.9,56.2
/POWER/VN_SW on Top: 92.7,41.5 94.8,41.5 95.2,41.1 95.2,39.5 92.8,39.5 91,37.7 90,37.7 90,38.5 91.5,40 91.5,41.7 90.1,43.1 90.1,43.4 90.8,43.4
SW_IN on Top: 22.4,19.3 22.7,19 22.7,17.5 21.8,16.6 19.4,16.6 19.4,18.9 20.5,20 22.4,20
VUSB on Top: 18.2,18.9 18.2,15.5 16.4,13.7 15.3,13.7 15.3,18 15.7,18.4 15.7,19.2 17.9,19.2
Net-(C46-Pad1) on Top: 128.4,72.2 126.6,72.2 126.6,74.7 128.4,74.7
Net-(D13-Pad1) on Top: 136.6,85.1 137.2,84.5 138,84.5 138,83.1 132.4,83.1 132.4,84.3 132.5,84.4 134.9,84.4 135.6,85.1 135.6,85.8 136.6,85.8
Net-(F1-Pad2) on Top: 11.06,17.69 12.56,15.73 13.56,15.73 13.56,13.73 12.56,13.73 11.05,12.29 6.9,12.29 6.9,12.79 8.05,12.79 10.57,13.77 10.56,16.06 8.05,17.19 6.9,17.19 6.9,17.69

## Text on the board
CUT-OUT: CUTOUT
